# Altium PCB HOST拼板.PcbDoc (part 3 of 4)
Units mm, origin at the board's own origin, x right, y up, seen from the top; angles counter-clockwise.
Board outline 115.7 x 187.58 mm, 2 copper layers (Top Layer, Bottom Layer); 330 components, 0 nets, 987 pads, 525 vias.
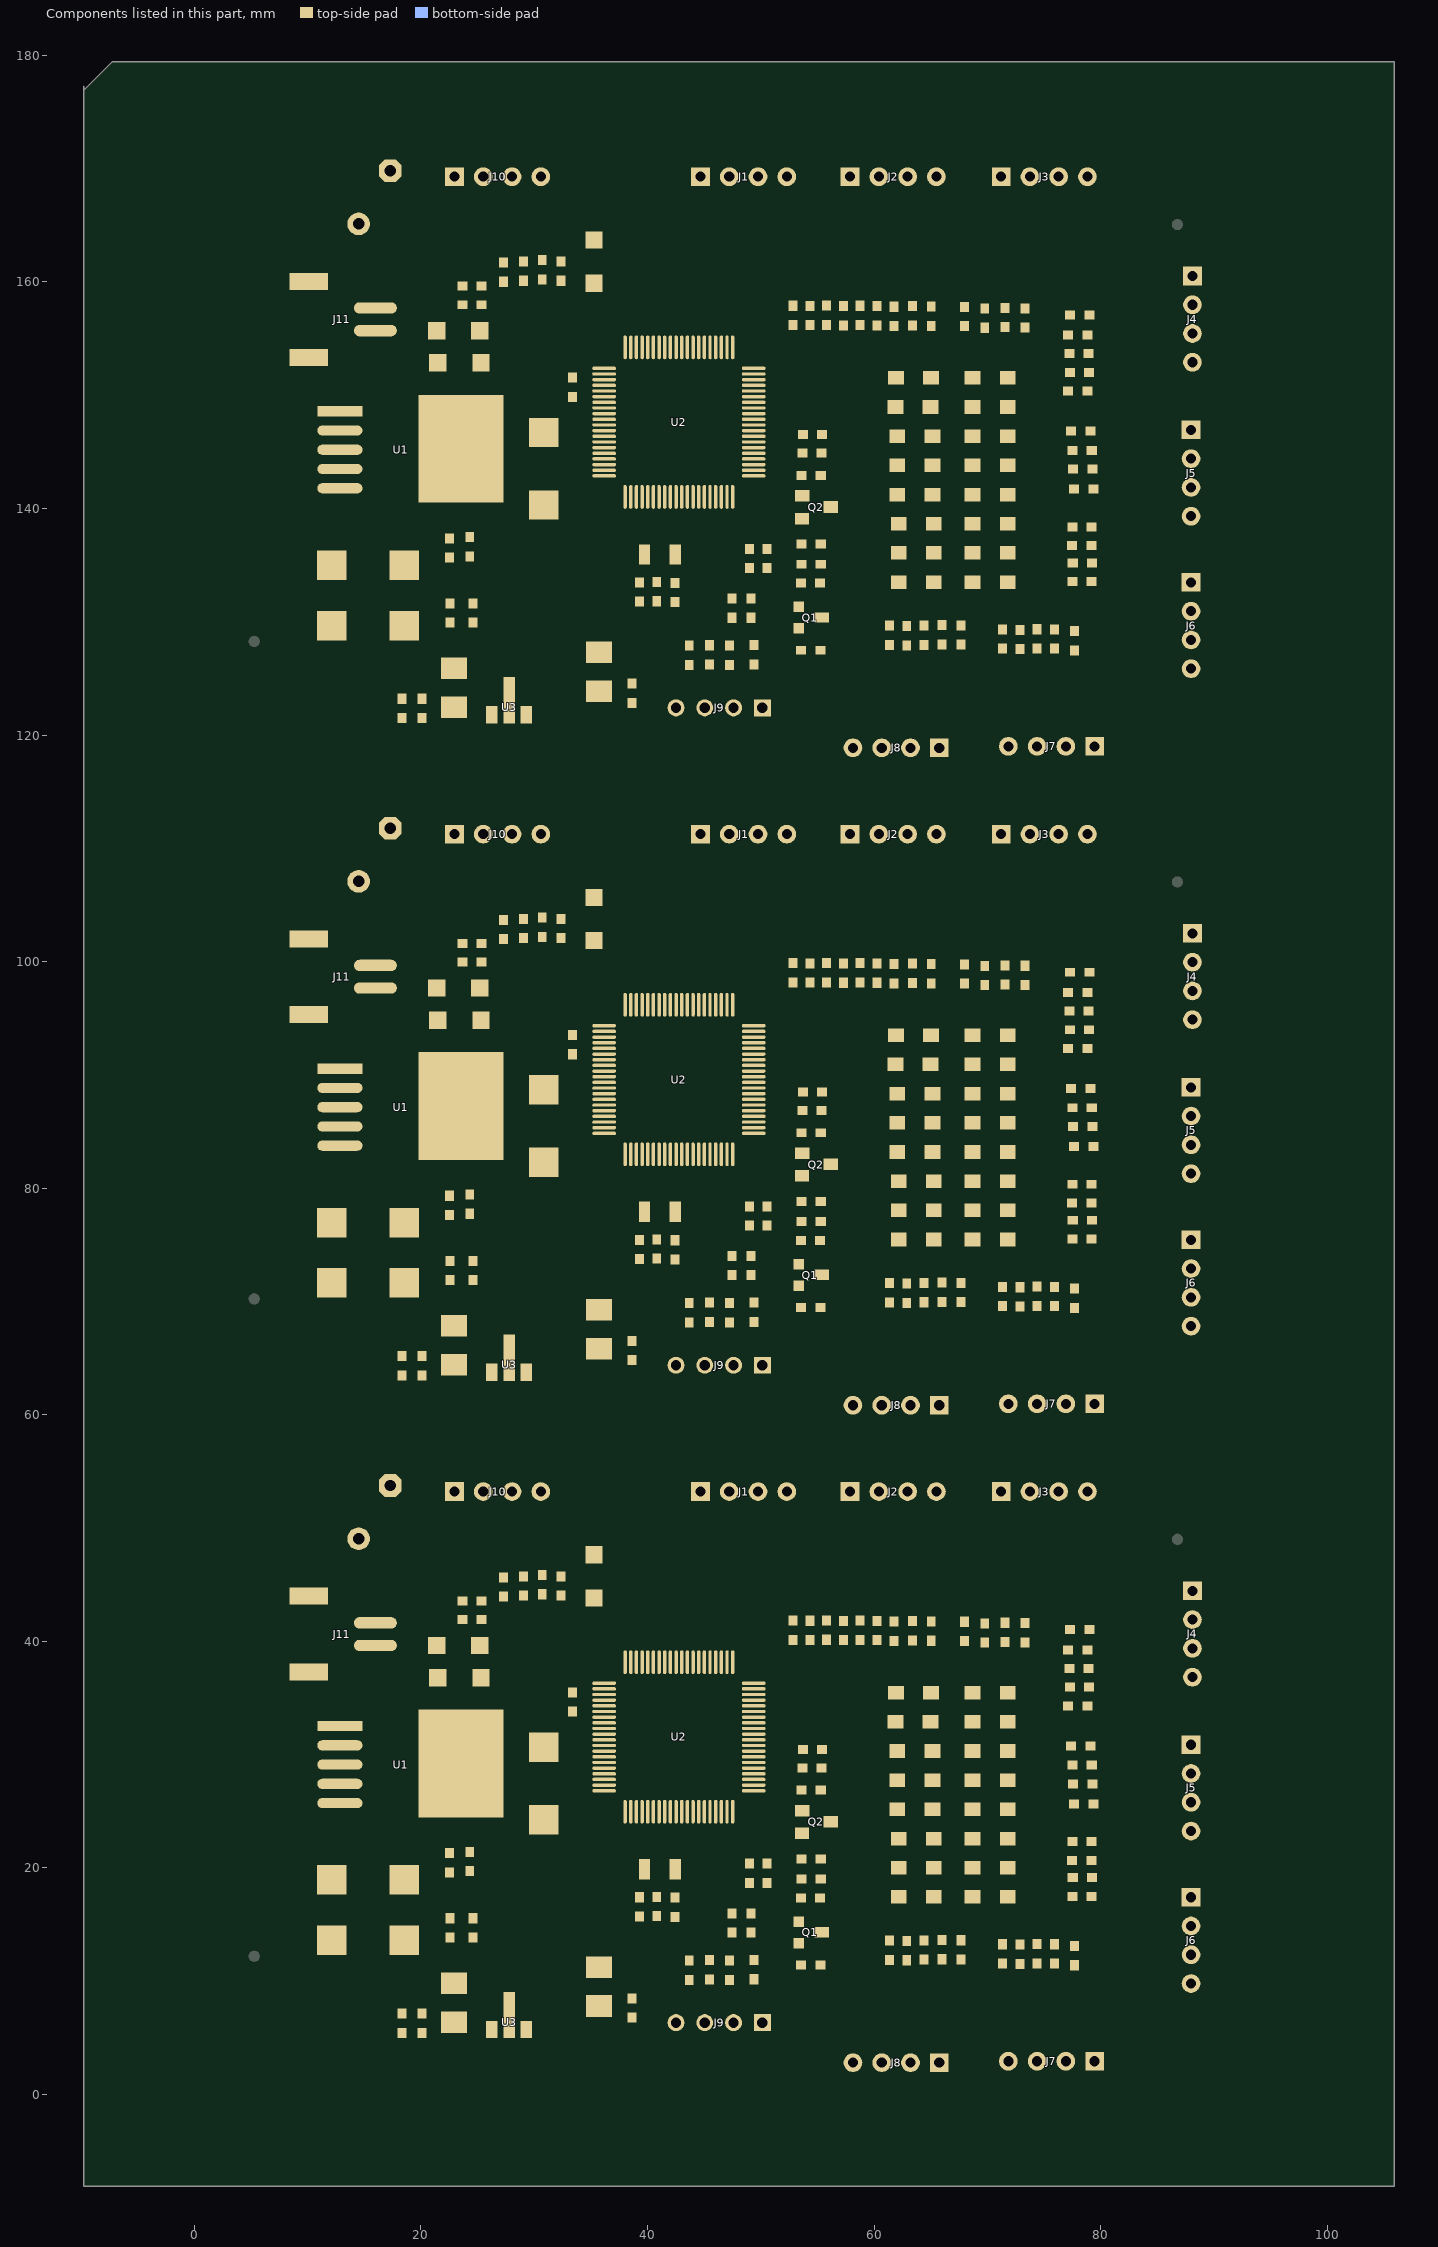
[diagram p3: the components of this part, seen from the top]

## Via types
v1: diameter 0.635, hole 0.381, Top Layer to Bottom Layer, tented both sides, 519 vias
v2: diameter 1.016, hole 0.635, Top Layer to Bottom Layer, tented both sides, 6 vias

## Nets (pads, with @x,y where several pads share a name; then routed paths per layer and width w, separated by ;. In a path a pad name is that pad's centre, name@x,y a point inside that pad or via, vN(x,y) a via of type N, cw(c..) or ccw(c..) an arc to the next point about the centre after c; other vN are vias at no path point) (continued)
copper on no net: (continued)
  Top Layer w0.254: v1@67.902,72.763 cw(c68.227,72.438) 68.227,72.898 cw(c68.227,73.358) v1@67.902,73.033 ; v1@67.902,130.802 cw(c68.227,130.477) 68.227,130.937 cw(c68.227,131.397) v1@67.902,131.072 ; 68.184,39.829 cw(c68.64,39.374) 68.64,40.017 cw(c68.64,40.661) 68.184,40.206 ; 68.184,97.868 cw(c68.64,97.413) 68.64,98.056 cw(c68.64,98.7) 68.184,98.245 ; 68.184,155.907 cw(c68.64,155.452) 68.64,156.095 cw(c68.64,156.739) 68.184,156.284 ; 68.241,27.43 ccw(c67.608,26.91) 67.608,27.73 ; 68.241,28.029 cw(c67.608,28.549) 67.608,27.73 ; 68.241,85.469 ccw(c67.608,84.949) 67.608,85.769 ; 68.241,86.068 cw(c67.608,86.588) 67.608,85.769 ; 68.241,143.508 ccw(c67.608,142.988) 67.608,143.808 ; 68.241,144.107 cw(c67.608,144.627) 67.608,143.808 ; 68.262,17.1 ccw(c67.513,16.396) 67.513,17.424 ; 68.262,17.748 cw(c67.513,18.452) 67.513,17.424 ; 68.262,75.139 ccw(c67.513,74.435) 67.513,75.463 ; 68.262,75.787 cw(c67.513,76.491) 67.513,75.463 ; 68.262,133.178 ccw(c67.513,132.474) 67.513,133.502 ; 68.262,133.826 cw(c67.513,134.53) 67.513,133.502 ; 68.373,17.759 ccw(c67.565,18.566) 68.707,18.566 ccw(c69.849,18.566) 69.041,17.759 ; 68.373,19.666 cw(c67.565,18.859) 68.707,18.859 cw(c69.849,18.859) 69.041,19.666 ; 68.373,20.335 ccw(c67.565,21.143) 68.707,21.143 ccw(c69.849,21.143) 69.041,20.335 ; 68.373,22.243 cw(c67.565,21.435) 68.707,21.435 cw(c69.849,21.435) 69.041,22.243 ; 68.373,22.911 ccw(c67.565,23.719) 68.707,23.719 ccw(c69.849,23.719) 69.041,22.911 ; 68.373,24.819 cw(c67.565,24.011) 68.707,24.011 cw(c69.849,24.011) 69.041,24.819 ; 68.373,25.488 ccw(c67.565,26.295) 68.707,26.295 ccw(c69.849,26.295) 69.041,25.488 ; 68.373,27.395 cw(c67.565,26.588) 68.707,26.588 cw(c69.849,26.588) 69.041,27.395 ; 68.373,28.064 ccw(c67.565,28.871) 68.707,28.871 ccw(c69.849,28.871) 69.041,28.064 ; 68.373,29.971 cw(c67.565,29.164) 68.707,29.164 cw(c69.849,29.164) 69.041,29.971 ; 68.373,30.64 ccw(c67.565,31.448) 68.707,31.448 ccw(c69.849,31.448) 69.041,30.64 ; 68.373,32.548 cw(c67.565,31.74) 68.707,31.74 cw(c69.849,31.74) 69.041,32.548 ; 68.373,33.217 ccw(c67.565,34.024) 68.707,34.024 ccw(c69.849,34.024) 69.041,33.217 ; 68.373,35.124 cw(c67.565,34.316) 68.707,34.316 cw(c69.849,34.316) 69.041,35.124 ; 68.373,75.798 ccw(c67.565,76.605) 68.707,76.605 ccw(c69.849,76.605) 69.041,75.798 ; 68.373,77.705 cw(c67.565,76.898) 68.707,76.898 cw(c69.849,76.898) 69.041,77.705 ; 68.373,78.374 ccw(c67.565,79.182) 68.707,79.182 ccw(c69.849,79.182) 69.041,78.374 ; 68.373,80.282 cw(c67.565,79.474) 68.707,79.474 cw(c69.849,79.474) 69.041,80.282 ; 68.373,80.95 ccw(c67.565,81.758) 68.707,81.758 ccw(c69.849,81.758) 69.041,80.95 ; 68.373,82.858 cw(c67.565,82.05) 68.707,82.05 cw(c69.849,82.05) 69.041,82.858 ; 68.373,83.527 ccw(c67.565,84.334) 68.707,84.334 ccw(c69.849,84.334) 69.041,83.527 ; 68.373,85.434 cw(c67.565,84.627) 68.707,84.627 cw(c69.849,84.627) 69.041,85.434 ; 68.373,86.103 ccw(c67.565,86.91) 68.707,86.91 ccw(c69.849,86.91) 69.041,86.103 ; 68.373,88.01 cw(c67.565,87.203) 68.707,87.203 cw(c69.849,87.203) 69.041,88.01 ; 68.373,88.679 ccw(c67.565,89.487) 68.707,89.487 ccw(c69.849,89.487) 69.041,88.679 ; 68.373,90.587 cw(c67.565,89.779) 68.707,89.779 cw(c69.849,89.779) 69.041,90.587 ; 68.373,91.256 ccw(c67.565,92.063) 68.707,92.063 ccw(c69.849,92.063) 69.041,91.256 ; 68.373,93.163 cw(c67.565,92.355) 68.707,92.355 cw(c69.849,92.355) 69.041,93.163 ; 68.373,133.837 ccw(c67.565,134.644) 68.707,134.644 ccw(c69.849,134.644) 69.041,133.837 ; 68.373,135.744 cw(c67.565,134.937) 68.707,134.937 cw(c69.849,134.937) 69.041,135.744 ; 68.373,136.413 ccw(c67.565,137.221) 68.707,137.221 ccw(c69.849,137.221) 69.041,136.413 ; 68.373,138.321 cw(c67.565,137.513) 68.707,137.513 cw(c69.849,137.513) 69.041,138.321 ; 68.373,138.989 ccw(c67.565,139.797) 68.707,139.797 ccw(c69.849,139.797) 69.041,138.989 ; 68.373,140.897 cw(c67.565,140.089) 68.707,140.089 cw(c69.849,140.089) 69.041,140.897 ; 68.373,141.566 ccw(c67.565,142.373) 68.707,142.373 ccw(c69.849,142.373) 69.041,141.566 ; 68.373,143.473 cw(c67.565,142.666) 68.707,142.666 cw(c69.849,142.666) 69.041,143.473 ; 68.373,144.142 ccw(c67.565,144.949) 68.707,144.949 ccw(c69.849,144.949) 69.041,144.142 ; 68.373,146.049 cw(c67.565,145.242) 68.707,145.242 cw(c69.849,145.242) 69.041,146.049 ; 68.373,146.718 ccw(c67.565,147.526) 68.707,147.526 ccw(c69.849,147.526) 69.041,146.718 ; 68.373,148.626 cw(c67.565,147.818) 68.707,147.818 cw(c69.849,147.818) 69.041,148.626 ; 68.373,149.295 ccw(c67.565,150.102) 68.707,150.102 ccw(c69.849,150.102) 69.041,149.295 ; 68.373,151.202 cw(c67.565,150.394) 68.707,150.394 cw(c69.849,150.394) 69.041,151.202 ; 68.707,35.458 68.707,32.882 68.707,30.306 68.707,27.73 ; 68.707,93.497 68.707,90.921 68.707,88.345 68.707,85.769 ; 68.707,151.536 68.707,148.96 68.707,146.384 68.707,143.808 ; 68.916,40.017 cw(c68.916,39.071) 69.585,39.74 ; 68.916,98.056 cw(c68.916,97.11) 69.585,97.779 ; 68.916,156.095 cw(c68.916,155.149) 69.585,155.818 ; 69.344,40.017 ccw(c69.344,40.359) 69.585,40.117 ; 69.344,98.056 ccw(c69.344,98.398) 69.585,98.156 ; 69.344,156.095 ccw(c69.344,156.437) 69.585,156.195 ; 69.774,39.878 69.634,40.017 67.996,40.017 67.576,40.017 ; 69.774,41.58 69.774,41.961 71.1,43.287 71.1,47.507 72.058,48.466 74.933,48.466 75.184,48.717 75.184,51.791 73.762,53.213 ; 69.774,97.917 69.634,98.056 67.996,98.056 67.576,98.056 ; 69.774,99.619 69.774,100 71.1,101.326 71.1,105.546 72.058,106.505 74.933,106.505 75.184,106.756 75.184,109.83 73.762,111.252 ; 69.774,155.956 69.634,156.095 67.996,156.095 67.576,156.095 ; 69.774,157.658 69.774,158.039 71.1,159.365 71.1,163.585 72.058,164.544 74.933,164.544 75.184,164.795 75.184,167.869 73.762,169.291 ; 69.787,41.631 cw(c70.614,41.631) 70.029,42.216 ; 69.787,99.67 cw(c70.614,99.67) 70.029,100.255 ; 69.787,157.709 cw(c70.614,157.709) 70.029,158.294 ; 70.04,41.631 cw(c71.482,41.631) 70.463,42.65 ; 70.04,99.67 cw(c71.482,99.67) 70.463,100.689 ; 70.04,157.709 cw(c71.482,157.709) 70.463,158.728 ; v1(70.256,26.238) 70.282,26.213 75.006,26.213 77.521,28.727 77.521,29.058 77.521,30.645 77.406,30.759 ; v1(70.256,84.277) 70.282,84.252 75.006,84.252 77.521,86.766 77.521,87.097 77.521,88.684 77.406,88.798 ; v1(70.256,142.316) 70.282,142.291 75.006,142.291 77.521,144.805 77.521,145.136 77.521,146.723 77.406,146.837 ; v1(70.383,23.673) 73.584,23.673 74.955,22.301 77.508,22.301 77.495,22.289 77.495,20.65 ; v1(70.383,81.712) 73.584,81.712 74.955,80.34 77.508,80.34 77.495,80.328 77.495,78.689 ; v1(70.383,139.751) 73.584,139.751 74.955,138.379 77.508,138.379 77.495,138.367 77.495,136.728 ; v1@70.391,26.103 cw(c70.655,25.84) 70.655,26.213 ; v1@70.391,26.373 ccw(c70.778,26.759) 70.778,26.213 ; v1@70.391,84.142 cw(c70.655,83.879) 70.655,84.252 ; v1@70.391,84.412 ccw(c70.778,84.798) 70.778,84.252 ; v1@70.391,142.181 cw(c70.655,141.918) 70.655,142.291 ; v1@70.391,142.451 ccw(c70.778,142.837) 70.778,142.291 ; v1@70.518,23.538 cw(c70.843,23.213) 70.843,23.673 cw(c70.843,24.133) v1@70.518,23.808 ; v1@70.518,81.577 cw(c70.843,81.252) 70.843,81.712 cw(c70.843,82.172) v1@70.518,81.847 ; v1@70.518,139.616 cw(c70.843,139.291) 70.843,139.751 cw(c70.843,140.211) v1@70.518,139.886 ; v1@70.706,36.721 ccw(c70.381,36.395) 70.381,36.855 ccw(c70.381,37.315) v1@70.706,36.99 ; v1@70.706,94.76 ccw(c70.381,94.434) 70.381,94.894 ccw(c70.381,95.354) v1@70.706,95.029 ; v1@70.706,152.799 ccw(c70.381,152.473) 70.381,152.933 ccw(c70.381,153.393) v1@70.706,153.068 ; 71.363,41.87 ccw(c70.908,42.325) 71.552,42.325 ccw(c72.196,42.325) 71.74,41.87 ; 71.363,99.909 ccw(c70.908,100.364) 71.552,100.364 ccw(c72.196,100.364) 71.74,99.909 ; 71.363,157.948 ccw(c70.908,158.403) 71.552,158.403 ccw(c72.196,158.403) 71.74,157.948 ; 71.387,13.208 72.873,13.208 72.873,14.605 73.939,15.672 73.939,19.202 73.141,20.001 71.807,20.001 ; 71.387,71.247 72.873,71.247 72.873,72.644 73.939,73.711 73.939,77.241 73.141,78.04 71.807,78.04 ; 71.387,129.286 72.873,129.286 72.873,130.683 73.939,131.75 73.939,135.28 73.141,136.079 71.807,136.079 ; 71.473,17.09 cw(c70.665,16.282) 71.807,16.282 cw(c72.949,16.282) 72.141,17.09 ; 71.473,35.793 ccw(c70.665,36.6) 71.807,36.6 ccw(c72.949,36.6) 72.141,35.793 ; 71.473,75.129 cw(c70.665,74.321) 71.807,74.321 cw(c72.949,74.321) 72.141,75.129 ; 71.473,93.832 ccw(c70.665,94.639) 71.807,94.639 ccw(c72.949,94.639) 72.141,93.832 ; 71.473,133.168 cw(c70.665,132.36) 71.807,132.36 cw(c72.949,132.36) 72.141,133.168 ; 71.473,151.871 ccw(c70.665,152.678) 71.807,152.678 ccw(c72.949,152.678) 72.141,151.871 ; 71.537,13.007 cw(c72.023,12.522) 72.023,13.208 ; 71.537,13.384 ccw(c71.962,13.809) 71.962,13.208 ; 71.537,71.046 cw(c72.023,70.561) 72.023,71.247 ; 71.537,71.423 ccw(c71.962,71.848) 71.962,71.247 ; 71.537,129.085 cw(c72.023,128.6) 72.023,129.286 ; 71.537,129.462 ccw(c71.962,129.887) 71.962,129.286 ; 71.552,39.929 71.59,39.89 73.33,39.89 74.13,39.89 75.006,39.014 75.006,31.115 74.197,30.306 71.807,30.306 ; 71.552,41.631 71.552,47.32 72.245,48.014 75.12,48.014 75.768,48.662 75.768,52.68 76.302,53.213 ; 71.552,97.968 71.59,97.929 73.33,97.929 74.13,97.929 75.006,97.053 75.006,89.154 74.197,88.345 71.807,88.345 ; 71.552,99.67 71.552,105.359 72.245,106.053 75.12,106.053 75.768,106.701 75.768,110.719 76.302,111.252 ; 71.552,156.007 71.59,155.968 73.33,155.968 74.13,155.968 75.006,155.092 75.006,147.193 74.197,146.384 71.807,146.384 ; 71.552,157.709 71.552,163.398 72.245,164.092 75.12,164.092 75.768,164.74 75.768,168.758 76.302,169.291 ; 71.74,39.689 cw(c72.226,39.204) 72.226,39.89 ; 71.74,40.067 ccw(c72.166,40.492) 72.166,39.89 ; 71.74,97.728 cw(c72.226,97.243) 72.226,97.929 ; 71.74,98.106 ccw(c72.166,98.531) 72.166,97.929 ; 71.74,155.767 cw(c72.226,155.282) 72.226,155.968 ; 71.74,156.145 ccw(c72.166,156.57) 72.166,155.968 ; 71.807,22.577 72.673,22.577 ; 71.807,25.153 74.429,25.153 74.905,25.629 77.66,25.629 77.572,25.717 77.572,27.407 ; 71.807,27.73 75.177,27.73 75.489,28.042 75.489,33.503 76.276,34.29 77.127,34.29 77.292,34.455 77.292,35.941 ; 71.807,35.458 71.807,37.032 71.013,37.826 58.288,37.826 57.302,38.811 57.302,40.081 ; 71.807,80.616 72.673,80.616 ; 71.807,83.192 74.429,83.192 74.905,83.668 77.66,83.668 77.572,83.756 77.572,85.446 ; 71.807,85.769 75.177,85.769 75.489,86.081 75.489,91.542 76.276,92.329 77.127,92.329 77.292,92.494 77.292,93.98 ; 71.807,93.497 71.807,95.071 71.013,95.865 58.288,95.865 57.302,96.85 57.302,98.12 ; 71.807,138.655 72.673,138.655 ; 71.807,141.231 74.429,141.231 74.905,141.707 77.66,141.707 77.572,141.795 77.572,143.485 ; 71.807,143.808 75.177,143.808 75.489,144.12 75.489,149.581 76.276,150.368 77.127,150.368 77.292,150.533 77.292,152.019 ; 71.807,151.536 71.807,153.11 71.013,153.904 58.288,153.904 57.302,154.889 57.302,156.159 ; 72.241,19.666 cw(c73.049,18.859) 73.049,20.001 cw(c73.049,21.143) 72.241,20.335 ; 72.241,24.819 cw(c73.049,24.011) 73.049,25.153 cw(c73.049,26.295) 72.241,25.488 ; 72.241,27.395 cw(c73.049,26.588) 73.049,27.73 cw(c73.049,28.871) 72.241,28.064 ; 72.241,29.971 cw(c73.049,29.164) 73.049,30.306 cw(c73.049,31.448) 72.241,30.64 ; 72.241,32.548 cw(c73.049,31.74) 73.049,32.882 cw(c73.049,34.024) 72.241,33.217 ; 72.241,77.705 cw(c73.049,76.898) 73.049,78.04 cw(c73.049,79.182) 72.241,78.374 ; 72.241,82.858 cw(c73.049,82.05) 73.049,83.192 cw(c73.049,84.334) 72.241,83.527 ; 72.241,85.434 cw(c73.049,84.627) 73.049,85.769 cw(c73.049,86.91) 72.241,86.103 ; 72.241,88.01 cw(c73.049,87.203) 73.049,88.345 cw(c73.049,89.487) 72.241,88.679 ; 72.241,90.587 cw(c73.049,89.779) 73.049,90.921 cw(c73.049,92.063) 72.241,91.256 ; 72.241,135.744 cw(c73.049,134.937) 73.049,136.079 cw(c73.049,137.221) 72.241,136.413 ; 72.241,140.897 cw(c73.049,140.089) 73.049,141.231 cw(c73.049,142.373) 72.241,141.566 ; 72.241,143.473 cw(c73.049,142.666) 73.049,143.808 cw(c73.049,144.949) 72.241,144.142 ; 72.241,146.049 cw(c73.049,145.242) 73.049,146.384 cw(c73.049,147.526) 72.241,146.718 ; 72.241,148.626 cw(c73.049,147.818) 73.049,148.96 cw(c73.049,150.102) 72.241,149.295 ; 72.33,22.365 cw(c72.673,22.193) 72.673,22.577 ; 72.33,22.789 ccw(c72.673,22.961) 72.673,22.577 ; 72.33,80.404 cw(c72.673,80.232) 72.673,80.616 ; 72.33,80.828 ccw(c72.673,81) 72.673,80.616 ; 72.33,138.443 cw(c72.673,138.271) 72.673,138.655 ; 72.33,138.867 ccw(c72.673,139.039) 72.673,138.655 ; 72.684,11.267 cw(c72.229,10.812) 72.873,10.812 cw(c73.516,10.812) 73.061,11.267 ; 72.684,13.019 ccw(c72.229,12.564) 72.229,13.208 ccw(c72.229,13.852) 72.684,13.397 ; 72.684,13.447 ccw(c72.229,13.903) 72.873,13.903 ccw(c73.516,13.903) 73.061,13.447 ; 72.684,69.306 cw(c72.229,68.851) 72.873,68.851 cw(c73.516,68.851) 73.061,69.306 ; 72.684,71.058 ccw(c72.229,70.603) 72.229,71.247 ccw(c72.229,71.891) 72.684,71.436 ; 72.684,71.486 ccw(c72.229,71.942) 72.873,71.942 ccw(c73.516,71.942) 73.061,71.486 ; 72.684,127.345 cw(c72.229,126.89) 72.873,126.89 cw(c73.516,126.89) 73.061,127.345 ; 72.684,129.097 ccw(c72.229,128.642) 72.229,129.286 ccw(c72.229,129.93) 72.684,129.475 ; 72.684,129.525 ccw(c72.229,129.981) 72.873,129.981 ccw(c73.516,129.981) 73.061,129.525 ; 72.898,11.481 72.873,11.506 72.873,8.28 74.397,6.756 74.397,2.921 ; 72.898,69.52 72.873,69.545 72.873,66.319 74.397,64.795 74.397,60.96 ; 72.898,127.559 72.873,127.584 72.873,124.358 74.397,122.834 74.397,118.999 ; 73.141,39.702 ccw(c72.686,39.247) 72.686,39.89 ccw(c72.686,40.534) 73.141,40.079 ; 73.141,97.741 ccw(c72.686,97.286) 72.686,97.929 ccw(c72.686,98.573) 73.141,98.118 ; 73.141,155.78 ccw(c72.686,155.325) 72.686,155.968 ccw(c72.686,156.612) 73.141,156.157 ; 73.518,39.702 cw(c73.974,39.247) 73.974,39.89 cw(c73.974,40.534) 73.518,40.079 ; 73.518,97.741 cw(c73.974,97.286) 73.974,97.929 cw(c73.974,98.573) 73.518,98.118 ; 73.518,155.78 cw(c73.974,155.325) 73.974,155.968 cw(c73.974,156.612) 73.518,156.157 ; 73.762,52.514 cw(c73.762,50.828) 74.954,52.021 cw(c76.146,53.213) 74.46,53.213 ; 73.762,52.768 cw(c73.762,51.695) 74.52,52.454 cw(c75.279,53.213) 74.206,53.213 ; 73.762,110.553 cw(c73.762,108.867) 74.954,110.06 cw(c76.146,111.252) 74.46,111.252 ; 73.762,110.807 cw(c73.762,109.734) 74.52,110.493 cw(c75.279,111.252) 74.206,111.252 ; 73.762,168.593 cw(c73.762,166.906) 74.954,168.099 cw(c76.146,169.291) 74.46,169.291 ; 73.762,168.846 cw(c73.762,167.773) 74.52,168.532 cw(c75.279,169.291) 74.206,169.291 ; 73.855,11.015 cw(c74.397,10.473) 74.397,11.239 ; 73.855,69.054 cw(c74.397,68.512) 74.397,69.278 ; 73.855,127.093 cw(c74.397,126.551) 74.397,127.317 ; 73.903,3.415 ccw(c72.71,4.607) 74.397,4.607 ccw(c76.083,4.607) 74.891,3.415 ; 73.903,61.454 ccw(c72.71,62.646) 74.397,62.646 ccw(c76.083,62.646) 74.891,61.454 ; 73.903,119.493 ccw(c72.71,120.685) 74.397,120.685 ccw(c76.083,120.685) 74.891,119.493 ; 73.977,11.138 ccw(c73.609,11.506) 74.13,11.506 ; 73.977,69.177 ccw(c73.609,69.545) 74.13,69.545 ; 73.977,127.216 ccw(c73.609,127.584) 74.13,127.584 ; 74.082,3.235 ccw(c73.323,3.994) 74.397,3.994 ccw(c75.47,3.994) 74.711,3.235 ; 74.082,61.274 ccw(c73.323,62.033) 74.397,62.033 ccw(c75.47,62.033) 74.711,61.274 ; 74.082,119.313 ccw(c73.323,120.072) 74.397,120.072 ccw(c75.47,120.072) 74.711,119.313 ; 74.208,13.498 ccw(c73.753,13.953) 74.397,13.953 ccw(c75.04,13.953) 74.585,13.498 ; 74.208,71.537 ccw(c73.753,71.992) 74.397,71.992 ccw(c75.04,71.992) 74.585,71.537 ; 74.208,129.576 ccw(c73.753,130.031) 74.397,130.031 ccw(c75.04,130.031) 74.585,129.576 ; 74.397,11.557 73.584,10.744 73.584,8.508 74.849,7.243 74.849,5.009 76.937,2.921 ; 74.397,69.596 73.584,68.783 73.584,66.547 74.849,65.282 74.849,63.048 76.937,60.96 ; 74.397,127.635 73.584,126.822 73.584,124.586 74.849,123.321 74.849,121.087 76.937,118.999 ; 74.585,13.07 cw(c75.04,12.615) 75.04,13.259 cw(c75.04,13.903) 74.585,13.447 ; 74.585,71.109 cw(c75.04,70.654) 75.04,71.298 cw(c75.04,71.942) 74.585,71.486 ; 74.585,129.148 cw(c75.04,128.693) 75.04,129.337 cw(c75.04,129.981) 74.585,129.525 ; v1@74.689,18.034 cw(c74.229,18.034) 74.554,17.709 cw(c74.879,17.384) v1@74.879,17.843 ; v1@74.689,76.073 cw(c74.229,76.073) 74.554,75.748 cw(c74.879,75.423) v1@74.879,75.882 ; v1@74.689,134.112 cw(c74.229,134.112) 74.554,133.787 cw(c74.879,133.462) v1@74.879,133.921 ; v1(74.879,18.034) 74.397,17.551 74.397,13.259 75.908,13.259 75.921,13.246 ; v1(74.879,76.073) 74.397,75.59 74.397,71.298 75.908,71.298 75.921,71.285 ; v1(74.879,134.112) 74.397,133.629 74.397,129.337 75.908,129.337 75.921,129.324 ; 75.247,13.259 cw(c75.247,12.572) 75.732,13.058 ; 75.247,71.298 cw(c75.247,70.611) 75.732,71.097 ; 75.247,129.337 cw(c75.247,128.65) 75.732,129.136 ; 75.307,13.259 ccw(c75.307,13.86) 75.732,13.435 ; 75.307,71.298 ccw(c75.307,71.899) 75.732,71.474 ; 75.307,129.337 ccw(c75.307,129.938) 75.732,129.513 ; v1(75.667,36.982) 75.565,36.982 76.175,37.592 77.241,37.592 77.127,37.707 77.127,39.243 ; v1(75.667,95.021) 75.565,95.021 76.175,95.631 77.241,95.631 77.127,95.746 77.127,97.282 ; v1(75.667,153.06) 75.565,153.06 76.175,153.67 77.241,153.67 77.127,153.785 77.127,155.321 ; 75.768,50.239 cw(c79.276,50.239) 76.796,52.719 ; 75.768,50.852 cw(c78.662,50.852) 76.616,52.899 ; 75.768,51.465 cw(c78.049,51.465) 76.436,53.078 ; 75.768,52.079 cw(c77.436,52.079) 76.257,53.258 ; 75.768,108.278 cw(c79.276,108.278) 76.796,110.758 ; 75.768,108.891 cw(c78.662,108.891) 76.616,110.938 ; 75.768,109.504 cw(c78.049,109.504) 76.436,111.117 ; 75.768,110.118 cw(c77.436,110.118) 76.257,111.297 ; 75.768,166.317 cw(c79.276,166.317) 76.796,168.797 ; 75.768,166.93 cw(c78.662,166.93) 76.616,168.977 ; 75.768,167.543 cw(c78.049,167.543) 76.436,169.156 ; 75.768,168.157 cw(c77.436,168.157) 76.257,169.336 ; v1@75.857,36.982 cw(c76.562,36.982) 76.064,37.481 ; v1@75.857,95.021 cw(c76.562,95.021) 76.064,95.52 ; v1@75.857,153.06 cw(c76.562,153.06) 76.064,153.559 ; 75.921,11.545 76.022,11.443 ; 75.921,69.584 76.022,69.482 ; 75.921,127.623 76.022,127.521 ; 76.238,2.921 ccw(c74.552,2.921) 75.744,4.113 ccw(c76.937,5.306) 76.937,3.619 ; 76.238,60.96 ccw(c74.552,60.96) 75.744,62.152 ccw(c76.937,63.345) 76.937,61.658 ; 76.238,118.999 ccw(c74.552,118.999) 75.744,120.191 ccw(c76.937,121.384) 76.937,119.697 ; 76.492,2.921 ccw(c75.419,2.921) 76.178,3.68 ccw(c76.937,4.439) 76.937,3.365 ; 76.492,60.96 ccw(c75.419,60.96) 76.178,61.719 ccw(c76.937,62.478) 76.937,61.404 ; 76.492,118.999 ccw(c75.419,118.999) 76.178,119.758 ccw(c76.937,120.517) 76.937,119.444 ; 76.745,27.952 ccw(c75.64,29.058) 77.203,29.058 ; 76.745,85.991 ccw(c75.64,87.097) 77.203,87.097 ; 76.745,144.03 ccw(c75.64,145.136) 77.203,145.136 ; 76.887,34.101 ccw(c76.432,33.646) 76.432,34.29 ccw(c76.432,34.934) 76.887,34.479 ; 76.887,92.14 ccw(c76.432,91.685) 76.432,92.329 ccw(c76.432,92.973) 76.887,92.518 ; 76.887,150.179 ccw(c76.432,149.724) 76.432,150.368 ccw(c76.432,151.012) 76.887,150.557 ; 76.938,39.054 cw(c76.483,38.599) 77.127,38.599 cw(c77.771,38.599) 77.315,39.054 ; 76.938,97.093 cw(c76.483,96.638) 77.127,96.638 cw(c77.771,96.638) 77.315,97.093 ; 76.938,155.132 cw(c76.483,154.677) 77.127,154.677 cw(c77.771,154.677) 77.315,155.132 ; 76.989,34.479 ccw(c76.257,35.21) 77.292,35.21 ; 76.989,92.518 ccw(c76.257,93.249) 77.292,93.249 ; 76.989,150.557 ccw(c76.257,151.288) 77.292,151.288 ; 77.002,37.403 ccw(c76.547,36.948) 76.547,37.592 ccw(c76.547,38.236) 77.002,37.781 ccw(c76.701,38.082) 77.127,38.082 ; 77.002,95.442 ccw(c76.547,94.987) 76.547,95.631 ccw(c76.547,96.275) 77.002,95.82 ccw(c76.701,96.121) 77.127,96.121 ; 77.002,153.481 ccw(c76.547,153.026) 76.547,153.67 ccw(c76.547,154.314) 77.002,153.859 ccw(c76.701,154.16) 77.127,154.16 ; 77.104,35.752 cw(c76.648,35.297) 77.292,35.297 cw(c77.936,35.297) 77.481,35.752 ; 77.104,93.791 cw(c76.648,93.336) 77.292,93.336 cw(c77.936,93.336) 77.481,93.791 ; 77.104,151.83 cw(c76.648,151.375) 77.292,151.375 cw(c77.936,151.375) 77.481,151.83 ; 77.127,38.39 ccw(c77.988,38.39) 77.379,37.781 ; 77.127,96.429 ccw(c77.988,96.429) 77.379,95.82 ; 77.127,154.468 ccw(c77.988,154.468) 77.379,153.859 ; 77.179,28.386 ccw(c76.507,29.058) 77.457,29.058 ; 77.179,86.425 ccw(c76.507,87.097) 77.457,87.097 ; 77.179,144.464 ccw(c76.507,145.136) 77.457,145.136 ; 77.268,22.113 ccw(c76.813,21.657) 76.813,22.301 ccw(c76.813,22.945) 77.268,22.49 ; 77.268,30.571 cw(c76.659,29.962) 77.521,29.962 ; 77.268,80.152 ccw(c76.813,79.696) 